# Altium PCB NesCat.PcbDoc
Units mm, origin at the board's own origin, x right, y up, seen from the top; angles counter-clockwise.
Board outline 117.98 x 95.88 mm, 2 copper layers (Top Layer, Bottom Layer); 20 components, 28 nets, 126 pads, 0 vias.
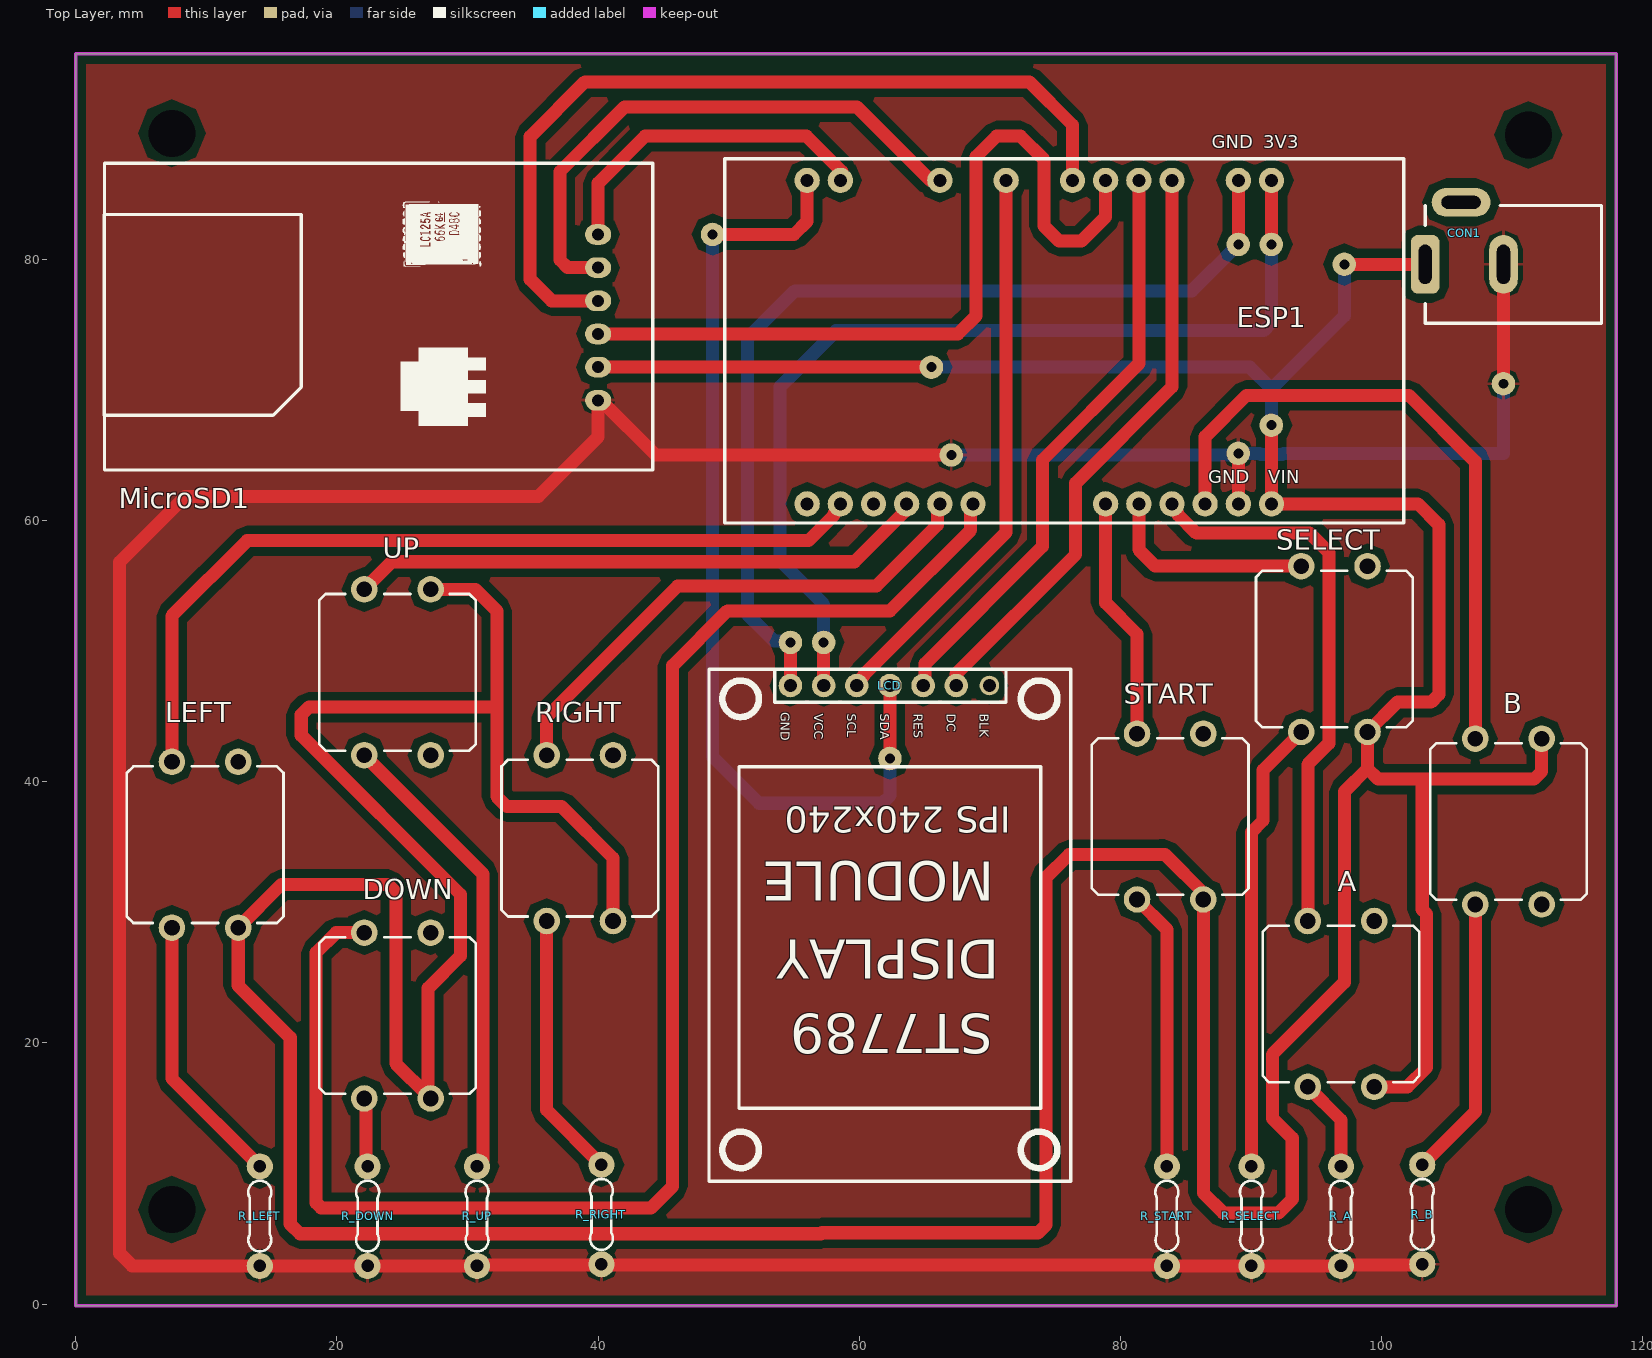
[diagram p0: Top Layer view]
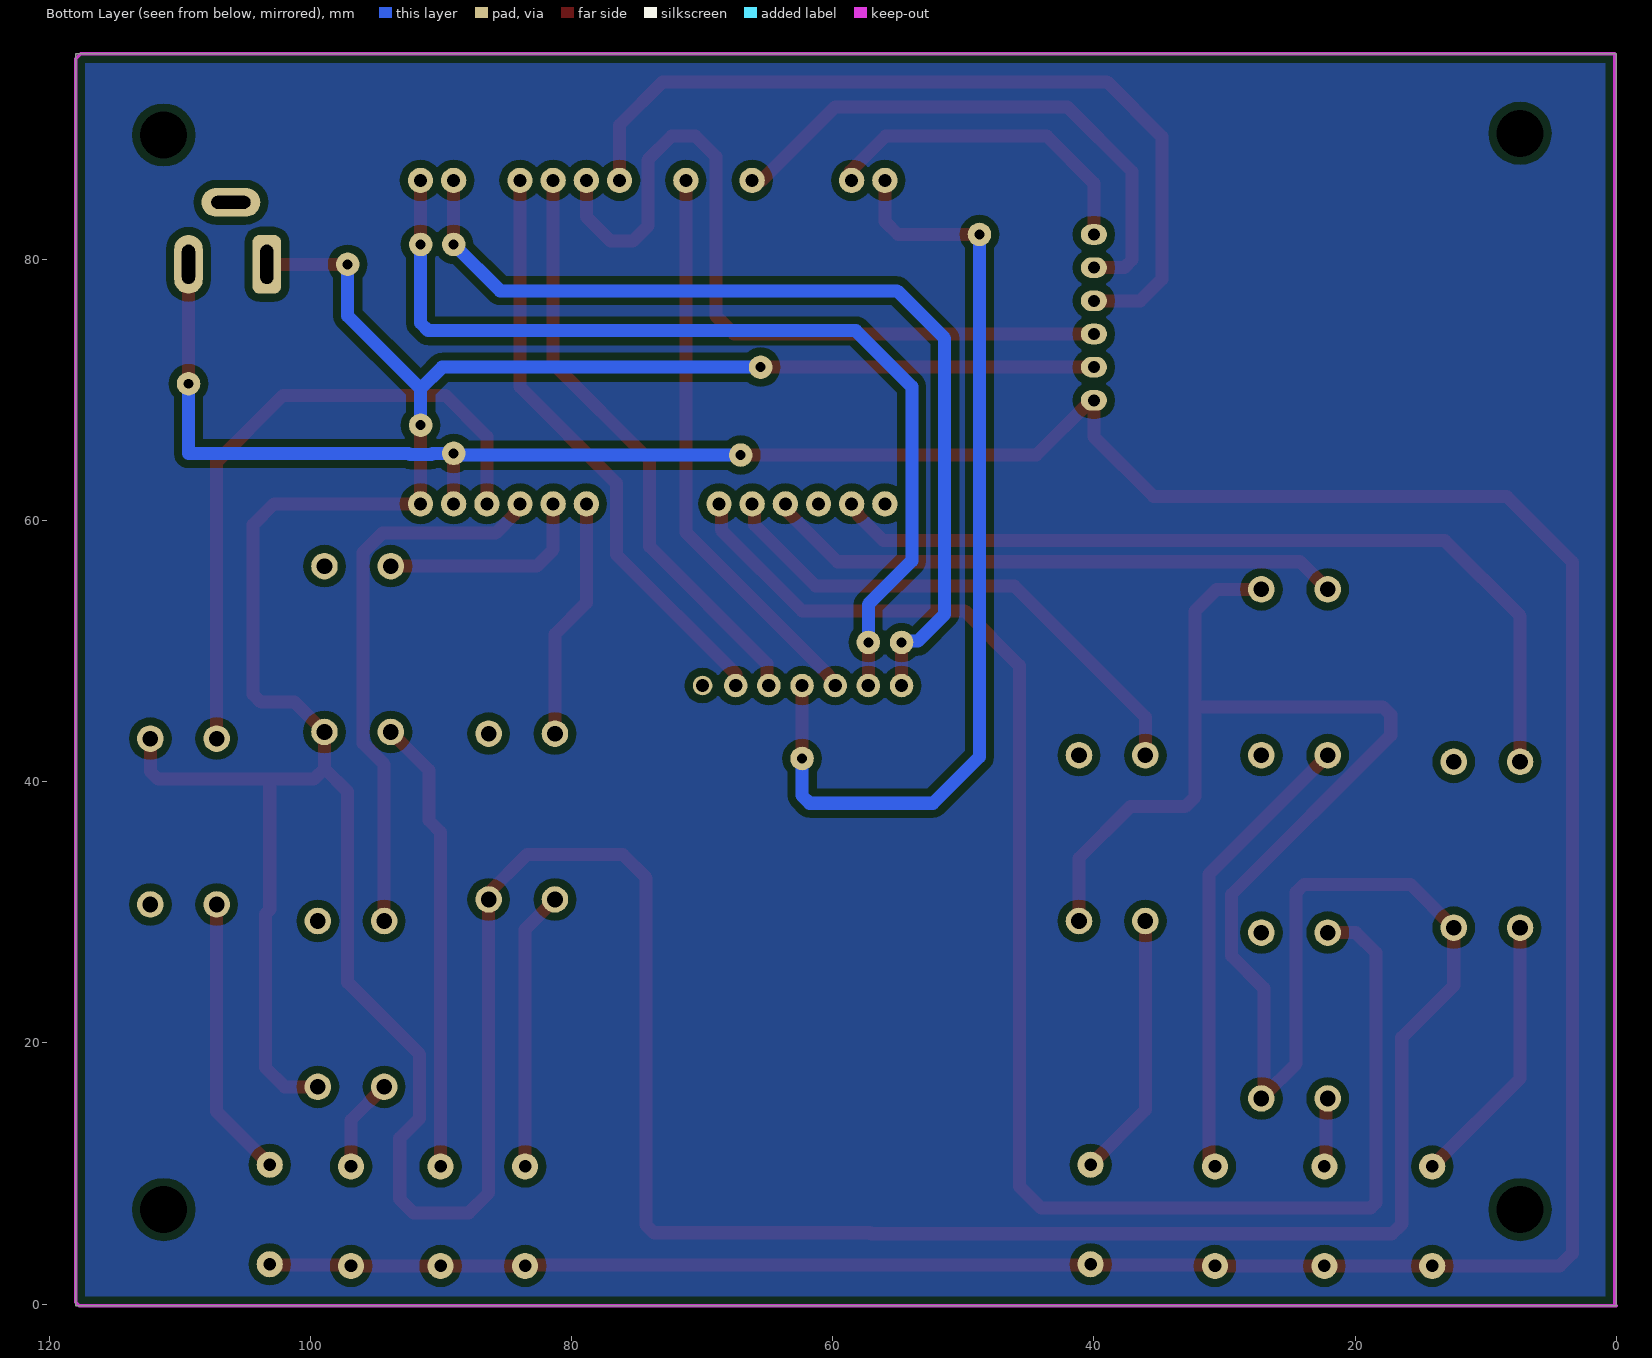
[diagram p1: Bottom Layer view, seen from below]
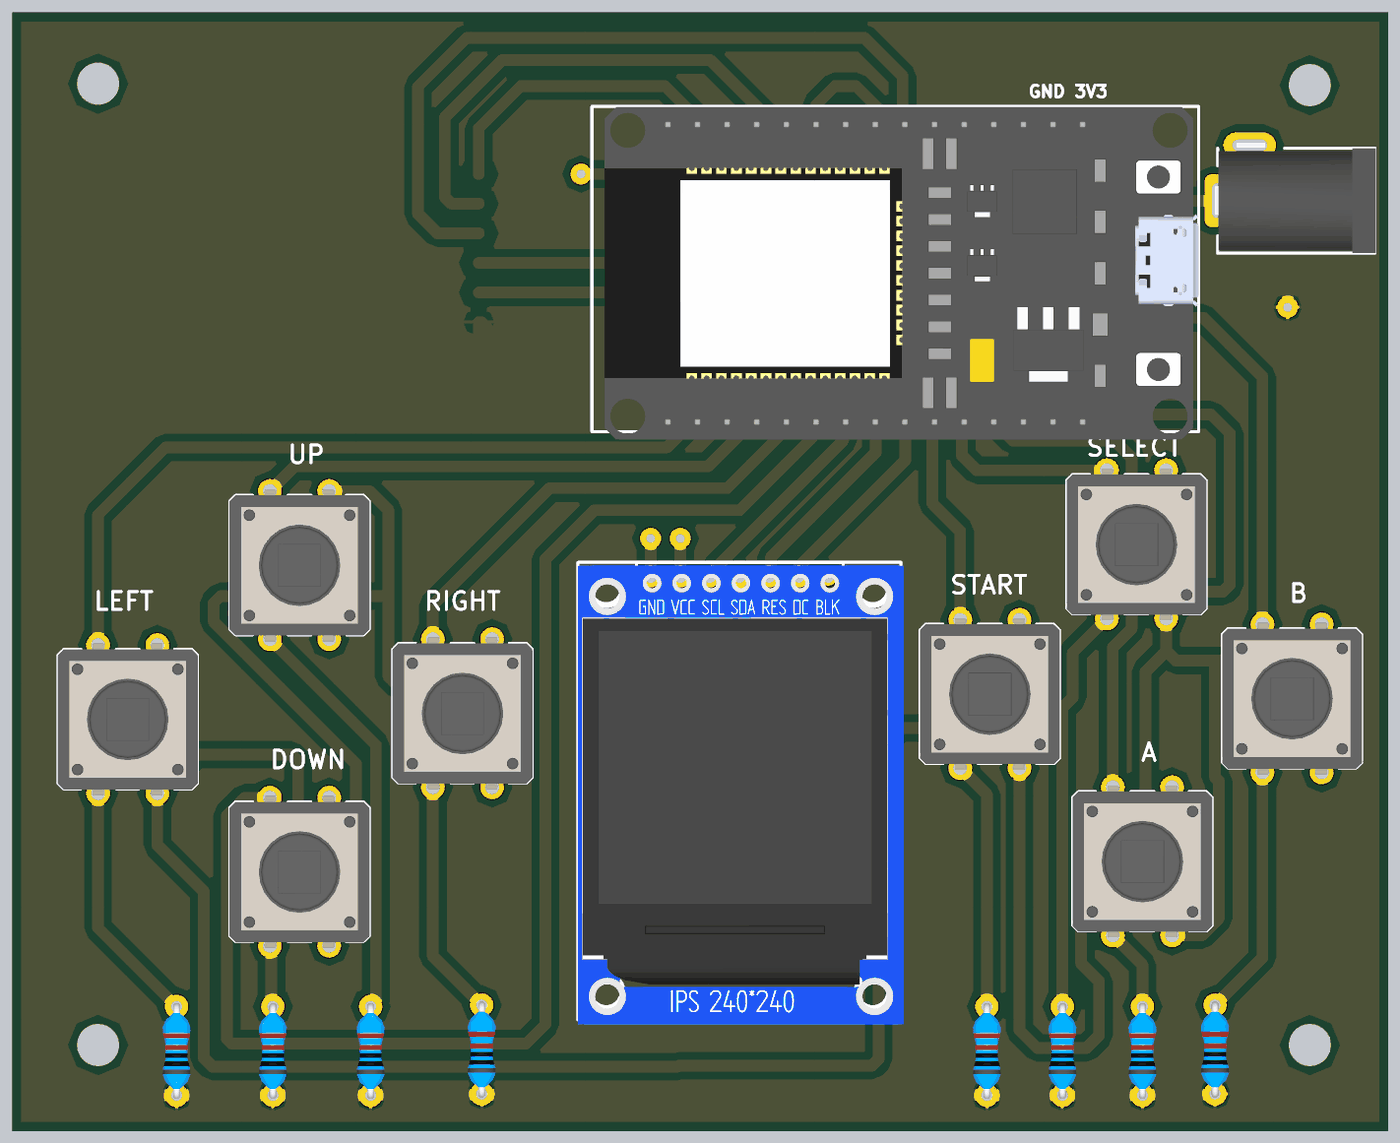
[diagram p2: 3D render of the assembled board from above, using the file's embedded part models]

## Layer stack, top to bottom
Top Solder: solder mask 0.0102, Solder Resist, Dk 3.5
Top Layer: signal copper 0.0356
Dielectric 1: dielectric 0.32, FR-4, Dk 4.8
Bottom Layer: signal copper 0.0356
Bottom Solder: solder mask 0.0102, Solder Resist, Dk 3.5

## Board outline
0,-0.127 0,95.758 117.983,95.758 117.983,60.452 117.983,-0.127

## Design rules (kind name [scope] priority, off if disabled: settings)
Clearance [All] p1: gap=0.5 ignorepadtopadclearanceinfootprint=FALSE except(0.6: Arc-Arc Arc-Track Arc-SMDPad Arc-THPad Track-Track Track-SMDPad Track-THPad SMDPad-SMDPad THPad-THPad)
HoleSize [All] p1: absolutevalues=TRUE maxlimit=4 minlimit=0.025 maxpercent=80.000 minpercent=20.000
HoleToHoleClearance [All] p1: gap=0.2 allowstackedmicrovias=TRUE
PolygonConnect [All] p1: connectstyle=Relief reliefconductorwidth=0.254 reliefentries=4 polygonreliefangle="90 Angle" airgapwidth=0.254
RoutingVias [All] p1: holewidth=0.711 width=1.27 viastyle="Through Hole" minholewidth=0.711 minwidth=1.27 maxholewidth=0.711 maxwidth=1.27
SilkToSilkClearance [All] p1: silktosilkclearance=0
SilkToSolderMaskClearance [IsPad] p1: minsilkscreentomaskgap=0 clearancetoexposedcopper=TRUE
SolderMaskExpansion [All] p1: expansion=0.102
Width [All] p1: maxlimit=1 minlimit=0.3 preferedwidth=1 minimp=50.000000 maximp=50.000000 favimp=50.000000
26 further rules are at their usual default settings.

## Components (designator, comment, footprint, x,y, rotation, side; value= is the part's Value field where it differs from the comment)
A "Button" SW/4/12mm 96.901,22.987 r0 top
B "Button" SW/4/12mm 109.728,36.957 r0 top
CON1 "CON DC PWR" CONN/DC/PWR/5.0MM 103.347,79.629 r180 top
DOWN "Button" SW/4/12mm 24.638,22.098 r0 top
ESP1 "ESP32DEVKITV1" ESP32-DEVKITV1_3D 68.707,72.517 r180 top
LCD "1.3\" 240x240 ST7789" "1.3\" 240x240 ST7789" 57.658,52.555 r180 top
LEFT "Button" SW/4/12mm 9.906,35.179 r0 top
MicroSD1 "Micro SD module" PCBComponent_1 88.265,115.448 r180 top
R_A "R" "R 1/4W/300" 96.901,2.921 r90 top
R_B "R" "R 1/4W/300" 103.124,3.048 r90 top
R_DOWN "R" "R 1/4W/300" 22.352,2.921 r90 top
R_LEFT "R" "R 1/4W/300" 14.097,2.921 r90 top
R_RIGHT "R" "R 1/4W/300" 40.259,3.048 r90 top
R_SELECT "R" "R 1/4W/300" 90.043,2.921 r90 top
R_START "R" "R 1/4W/300" 83.566,2.921 r90 top
R_UP "R" "R 1/4W/300" 30.734,2.921 r90 top
RIGHT "Button" SW/4/12mm 38.608,35.687 r0 top
SELECT "Button" SW/4/12mm 96.393,50.165 r0 top
START "Button" SW/4/12mm 83.82,37.338 r0 top
UP "Button" SW/4/12mm 24.638,48.387 r0 top

## Footprints (in the part's own frame and the unit in brackets; to place one, negate y for a bottom-side part, rotate by r counter-clockwise, add the part's x,y. Pads: shape width x height; smd on the part's side, far side on the other; paste and mask are expansions set on the pad)
"1.3\" 240x240 ST7789" [mm]
  round 1.5 hole 1.02: BLK(-12.319,5.184)
  round 1.8 hole 1.02: DC(-9.779,5.184) GND(2.921,5.184) RES(-7.239,5.184) SCL(-2.159,5.184) SDA(-4.699,5.184) VCC(0.381,5.184)
  silkscreen extent -18.54,3.94 9.16,43.16, body extent -18.8,4.19 9.14,43.56, height 3.06
CONN/DC/PWR/5.0MM [mm]
  rrect50% 2.2x4.5 hole 1 slot 3 at 90 deg: 1(0,0)
  oval 2.2x4.5 hole 1 slot 3 at 90 deg: 2(-6,0)
  oval 4.5x2.2 hole 1 slot 3 at 0 deg: 3(-2.75,-4.75)
  silkscreen extent -13.5,-4.5 0,4.5, body extent -13.58,-5 0.25,4.5, height 11.02
ESP32-DEVKITV1_3D [mm]
  round 1.93 hole 1: 1(-22.87,-13.54) 2(-20.33,-13.54) 4(-15.25,-13.54) 5(-12.71,-13.54) 6(-10.17,-13.54) 7(-7.63,-13.54) 9(-2.55,-13.54) 11(2.53,-13.54) 14(10.15,-13.54) 15(12.69,-13.54) 16(12.69,11.23) 17(10.15,11.23) 18(7.61,11.23) 19(5.07,11.23) 20(2.53,11.23) 21(-0.01,11.23) 25(-10.17,11.23) 26(-12.71,11.23) 27(-15.25,11.23) 28(-17.79,11.23) 29(-20.33,11.23) 30(-22.87,11.23)
  round 0 all layers, no hole: 3(-17.79,-13.54) 8(-5.09,-13.54) 10(-0.01,-13.54) 12(5.07,-13.54) 13(7.61,-13.54) 22(-2.55,11.23) 23(-5.09,11.23) 24(-7.63,11.23)
  silkscreen extent -33,-15.2 19,12.7, body extent -33,-15.14 17.93,13.36, height 12.75
PCBComponent_1 [mm]
  oval 2x1.575 hole 0.914: CS(48.26,33.533) GND(48.26,46.233) MISO(48.26,41.153) MOSI(48.26,38.613) SCK(48.26,36.073) VCC(48.26,43.693)
  silkscreen extent 44.07,28.07 86.11,51.57, body extent 44.25,27.69 86.05,51.69, height 3.1
"R 1/4W/300" [mm] "Through hole resitor, axial 300mils, 1/4W"
  round 2 hole 0.965: 1(0,0) 2(7.62,0)
  silkscreen extent 1.11,-0.88 6.53,0.88, body extent -0.3,-1.2 7.92,1.2, height 2.47
SW/4/12mm [mil]
  round 80 hole 47.24: 1(-100,250) 2(-100,-250) 3(100,-250) 4(100,250)
  round 0 all layers, no hole: HOLE(-175,0) HOLE(175,0)
  silkscreen extent -236,-236 236,236, body extent -236,-257 236,255, height 287

## Part data
A B DOWN LEFT RIGHT SELECT START UP: library part "SW SPST 4-pin", "Tact switch 4-pin"
CON1: "DC input connector"
ESP1: "Dual core, Wi-Fi: 2.4 GHz up to 150 Mbits/s,BLE (Bluetooth Low Energy) and legacy Bluetooth, 32 bits, Up to 240 MHz", PACKAGE=Package, Availability=Unavailable, Check_prices=https://www.snapeda.com/parts/ESP32%20DEVKIT%20V1/Do%20it/view-part/5659245/?ref=eda, MF="Do it", MP="ESP32 DEVKIT V1", price=None, SnapEDA_Link=https://www.snapeda.com/parts/ESP32%20DEVKIT%20V1/Do%20it/view-part/5659245/?ref=snap
R_A R_B R_DOWN R_LEFT R_RIGHT R_SELECT R_START R_UP: library part Resistor, "Resistor"

## Free pads (board coordinates)
  round 1.524 hole 3.6: 2(7.366,7.239) 2(7.366,89.662) 2(111.252,7.239) 2(111.252,89.535)
  round 1.8 hole 0.762: 6(65.532,71.755) 7(91.57,67.31) 8(89.037,65.151) 9(67.056,65.024) 10(62.357,41.783) 11(48.768,81.915) 12(54.737,50.673) 13(57.277,50.673) 14(89.037,81.153) 15(91.567,81.153) 16(97.155,79.629) 17(109.347,70.485)

## Nets (pads, with @x,y where several pads share a name; then routed paths per layer and width w, separated by ;. In a path a pad name is that pad's centre, name@x,y a point inside that pad or via, vN(x,y) a via of type N, cw(c..) or ccw(c..) an arc to the next point about the centre after c; other vN are vias at no path point)
GND: CON1.2 ESP1.29 MicroSD1.GND pad.8 pad.9 pad.17 R_A.1 R_B.1 R_DOWN.1 R_LEFT.1 R_RIGHT.1 R_SELECT.1 R_START.1 R_UP.1 | length 285.8
  Top Layer w1: pad.9 44.409,65.024 40.218,69.215 MicroSD1.GND 40.005,66.421 35.433,61.849 8.382,61.849 3.361,56.828 3.361,3.888 4.328,2.921 R_LEFT.1 R_DOWN.1 R_UP.1 30.798,2.985 40.196,2.985 R_RIGHT.1 40.323,2.985 83.503,2.985 R_START.1 R_SELECT.1 R_A.1 96.965,2.985 103.061,2.985 R_B.1 ; ESP1.29 pad.8 pad.8@89.037,65.522 ; pad.17 CON1.2
  Bottom Layer w1: pad.9 pad.8@88.303,65.024 ; pad.8 89.037,65.141 90.656,65.141 90.741,65.056 92.398,65.056 92.483,65.141 109.347,65.141 pad.17
NetA_1: A.1 ESP1.27 | length 42.7
  Top Layer w1: ESP1.27 83.957,61.035 84.432,60.56 84.432,60.432 85.819,59.045 94.498,59.045 95.969,57.574 95.969,42.939 94.361,41.331 A.1
NetA_2: A.2 R_A.2 | length 7.1
  Top Layer w1: A.2 96.901,14.097 R_A.2
NetB_1: B.1 ESP1.28 | length 50.5
  Top Layer w1: ESP1.28 86.497,66.431 89.662,69.596 102.108,69.596 107.188,64.516 B.1
NetB_2: B.2 R_B.2 | length 21.6
  Top Layer w1: R_B.2 107.188,14.732 B.2
NetDOWN_1: DOWN.1 ESP1.21 | length 120.7
  Top Layer w1: DOWN.1 19.939,28.448 18.415,26.924 18.415,7.747 18.796,7.366 44.069,7.366 45.72,9.017 45.72,48.895 49.911,53.086 62.357,53.086 68.539,59.268 68.539,61.109 ESP1.21
NetDOWN_2: DOWN.2 R_DOWN.2 | length 5.3
  Top Layer w1: DOWN.2 22.225,15.621 22.225,10.668 R_DOWN.2
NetESP1_1: ESP1.1 LCD.VCC pad.13 pad.15 | length 74.8
  Top Layer w1: LCD.VCC pad.13 ; pad.15 91.577,81.163 ESP1.1
  Bottom Layer w1: pad.13 57.277,51.181 57.277,53.594 53.952,56.919 53.952,70.257 58.244,74.549 90.991,74.549 91.577,75.135 91.567,75.145 pad.15
NetESP1_2: ESP1.2 LCD.GND pad.12 pad.14 | length 74.3
  Top Layer w1: LCD.GND pad.12 ; pad.14 ESP1.2
  Bottom Layer w1: pad.12 54.637,50.773 53.494,50.773 51.435,52.832 51.435,73.963 55.069,77.597 85.481,77.597 pad.14 ; ESP1.2@89.027,86.047 ESP1.2 ESP1.2@89.157,86.177
NetESP1_4: ESP1.4 LCD.DC | length 45.5
  Top Layer w1: LCD.DC 67.437,48.26 76.581,57.404 76.581,62.865 83.957,70.241 ESP1.4
NetESP1_5: ESP1.5 LCD.RES | length 45.5
  Top Layer w1: LCD.RES 65.05,47.524 65.05,49.048 74.041,58.039 74.041,64.643 81.417,72.019 ESP1.5
NetESP1_6: ESP1.6 MicroSD1.MISO | length 62.2
  Top Layer w1: MicroSD1.MISO 67.564,74.295 68.961,75.692 68.961,87.884 70.534,89.457 72.341,89.457 74.168,87.63 74.168,82.55 75.311,81.407 77.011,81.407 78.877,83.273 ESP1.6
NetESP1_7: ESP1.7 MicroSD1.MOSI | length 65.7
  Top Layer w1: MicroSD1.MOSI 36.449,76.835 34.798,78.486 34.798,89.408 38.989,93.599 73.035,93.599 76.337,90.297 ESP1.7
NetESP1_9: ESP1.9 LCD.SCL | length 43.4
  Top Layer w1: LCD.SCL 59.817,47.587 60.357,48.127 60.357,48.199 71.257,59.099 ESP1.9
NetESP1_11: ESP1.11 MicroSD1.SCK | length 43.4
  Top Layer w1: MicroSD1.SCK 37.67,79.375 37.084,79.961 37.084,86.741 42.037,91.694 59.817,91.694 65.454,86.057 ESP1.11
NetESP1_14: ESP1.14 MicroSD1.CS | length 26
  Top Layer w1: MicroSD1.CS 40.005,85.852 43.61,89.457 55.958,89.457 58.674,86.741 58.674,86.174 ESP1.14
NetESP1_15: ESP1.15 LCD.SDA pad.10 pad.11 | length 74.5
  Top Layer w1: pad.11 55.011,81.915 56.017,82.921 ESP1.15 ; pad.10 LCD.SDA
  Bottom Layer w1: pad.11 48.768,41.91 52.324,38.354 61.771,38.354 62.357,38.94 pad.10
NetESP1_17: ESP1.17 LEFT.1 | length 66.1
  Top Layer w1: LEFT.1 7.366,52.705 13.134,58.473 56.124,58.473 58.082,60.432 58.082,60.56 58.557,61.035 ESP1.17
NetESP1_19: ESP1.19 UP.1 | length 44.5
  Top Layer w1: UP.1 24.214,56.853 59.647,56.853 63.459,60.665 63.459,61.109 ESP1.19
NetESP1_20: ESP1.20 RIGHT.1 | length 40.6
  Top Layer w1: RIGHT.1 36.068,44.958 46.101,54.991 61.318,54.991 65.999,59.672 65.999,61.109 ESP1.20
NetESP1_25: ESP1.25 START.1 | length 18.6
  Top Layer w1: ESP1.25 78.877,53.703 81.28,51.3 START.1
NetESP1_26: ESP1.26 SELECT.1 | length 16.5
  Top Layer w1: ESP1.26 81.417,57.775 82.677,56.515 SELECT.1
NetLEFT_2: LEFT.2 R_LEFT.2 | length 21.1
  Top Layer w1: LEFT.2 7.366,17.272 R_LEFT.2
NetR_RIGHT_2: R_RIGHT.2 RIGHT.2 | length 20.4
  Top Layer w1: RIGHT.2 36.068,14.859 R_RIGHT.2
NetR_SELECT_2: R_SELECT.2 SELECT.2 | length 34.9
  Top Layer w1: R_SELECT.2 90.043,36.146 90.932,37.035 90.932,40.894 SELECT.2
NetR_START_2: R_START.2 START.2 | length 21.4
  Top Layer w1: START.2 83.566,28.702 R_START.2
NetR_UP_2: R_UP.2 UP.2 | length 35.4
  Top Layer w1: UP.2 31.183,32.952 31.183,10.99 R_UP.2
VCC: A.3 B.4 CON1.1 DOWN.3 ESP1.30 LEFT.3 MicroSD1.VCC pad.6 pad.7 pad.16 RIGHT.3 SELECT.3 START.3 UP.4 | length 470.9
  Top Layer w1: DOWN.3 DOWN.3@26.983,15.943 ; UP.4 30.607,54.737 32.258,53.086 32.258,45.72 ; MicroSD1.VCC pad.6 ; RIGHT.3 41.148,34.163 37.211,38.1 33.02,38.1 32.258,38.862 32.258,45.72 ; 91.577,63.881 pad.7 91.574,63.881 ESP1.30 102.797,61.287 104.394,59.69 104.394,46.687 103.808,46.101 101.219,46.101 SELECT.3 98.933,41.021 ; pad.16 CON1.1 ; A.3 101.981,16.637 103.446,18.102 103.446,29.882 103.124,30.204 103.124,40.205 ; B.4 112.268,40.791 111.682,40.205 103.124,40.205 ; DOWN.3@26.983,15.943 24.511,18.415 24.511,31.545 23.925,32.131 15.748,32.131 LEFT.3 12.446,24.384 16.43,20.4 16.43,6.127 17.172,5.385 57.074,5.385 57.15,5.461 73.709,5.461 74.295,6.047 74.295,32.639 76.073,34.417 82.931,34.417 83.439,34.417 86.487,31.369 86.487,31.115 START.3 86.36,8.509 87.884,6.985 92.124,6.985 93.17,8.031 93.17,12.703 91.643,14.23 91.643,19.126 97.155,24.638 97.155,39.243 98.933,41.021 ; DOWN.3@26.983,15.943 26.983,24.189 29.464,26.67 29.464,31.369 17.272,43.561 17.272,45.134 17.858,45.72 32.258,45.72 ; 98.933,41.021 99.749,40.205 103.124,40.205
  Bottom Layer w1: pad.6 89.916,71.755 91.577,70.094 ; pad.7 91.577,70.094 ; pad.16 97.155,75.672 91.577,70.094 ; CON1.1@102.751,78.429 103.347,79.025 CON1.1
pads on no net: A.4 A.HOLE B.3 B.HOLE CON1.3 DOWN.4 DOWN.HOLE ESP1.3 ESP1.8 ESP1.10 ESP1.12 ESP1.13 ESP1.16 ESP1.18 ESP1.22 ESP1.23 ESP1.24 LCD.BLK LEFT.4 LEFT.HOLE RIGHT.4 RIGHT.HOLE SELECT.4 SELECT.HOLE START.4 START.HOLE UP.3 UP.HOLE

## Polygon pours and split planes (outlines as drawn)
GND on Top Layer "GND_L01_P014" (solid, pour order 14): 0,95.758 0,-0.127 117.983,-0.127 117.729,0.127 117.729,95.758
no net on Top Layer "NONET_L01_P012" (solid, remove dead copper, pour order 12): 169.164,248.539
no net on Top Layer "NONET_L01_P002" (solid, remove dead copper, pour order 2): 170.053,108.585
no net on Bottom Layer "NONET_L02_P016" (solid, pour order 16): 0.381,95.758 0.381,0.254 0,-0.127 117.729,-0.127 117.729,95.631 117.602,95.758

## Keep-outs
Top Layer:
  the board outline again, w0.254
Bottom Layer:
  lines w0.254: 0,-0.127 117.729,-0.127 117.983,0.127 117.983,95.377 117.602,95.758 0.127,95.758 0.127,0 0,-0.127

## Other copper
Top Layer:
  pour cut-out: 2.286,94.107

## Text inside footprints (layer, text, board x,y; h text height)
ESP1: Top Overlay "GND" at 86.741,62.861 h1.02; Top Overlay "VIN" at 91.313,62.861 h1.02; Top Overlay "GND" at 86.995,88.519 h1.02; Top Overlay "3V3" at 90.932,88.519 h1.02; Mechanical 13 "ESP32-DEVKITV1" at 63.707,89.757 h1.27 r180
LCD: Top Overlay "GND" at 54.006,45.339 h0.7 r270; Top Overlay "MODULE" at 70.358,33.885 h3 r180; Top Overlay "DISPLAY" at 70.739,27.916 h3 r180; Top Overlay "IPS 240x240" at 71.628,38.084 h2 r180; Top Overlay "VCC" at 56.546,45.212 h0.7 r270; Top Overlay "SCL" at 59.086,45.212 h0.7 r270; Top Overlay "SDA" at 61.626,45.212 h0.7 r270; Top Overlay "RES" at 64.166,45.212 h0.7 r270; Top Overlay "DC" at 66.706,45.212 h0.7 r270; Top Overlay "BLK" at 69.246,45.212 h0.7 r270; Top Overlay "ST7789" at 70.231,22.201 h3 r180